# Altium PCB trussy.PcbDoc (part 2 of 3)
Units mil, origin at the board's own origin, x right, y up, seen from the top; angles counter-clockwise.
Board outline 3818.9 x 2234.25 mil, 6 copper layers (Top Layer, GND_TOP, Internal Signal 1, VCC, Internal Signal 2, Bottom Layer), stack 62.65 mil thick; 152 components, 165 nets, 758 pads, 452 vias.
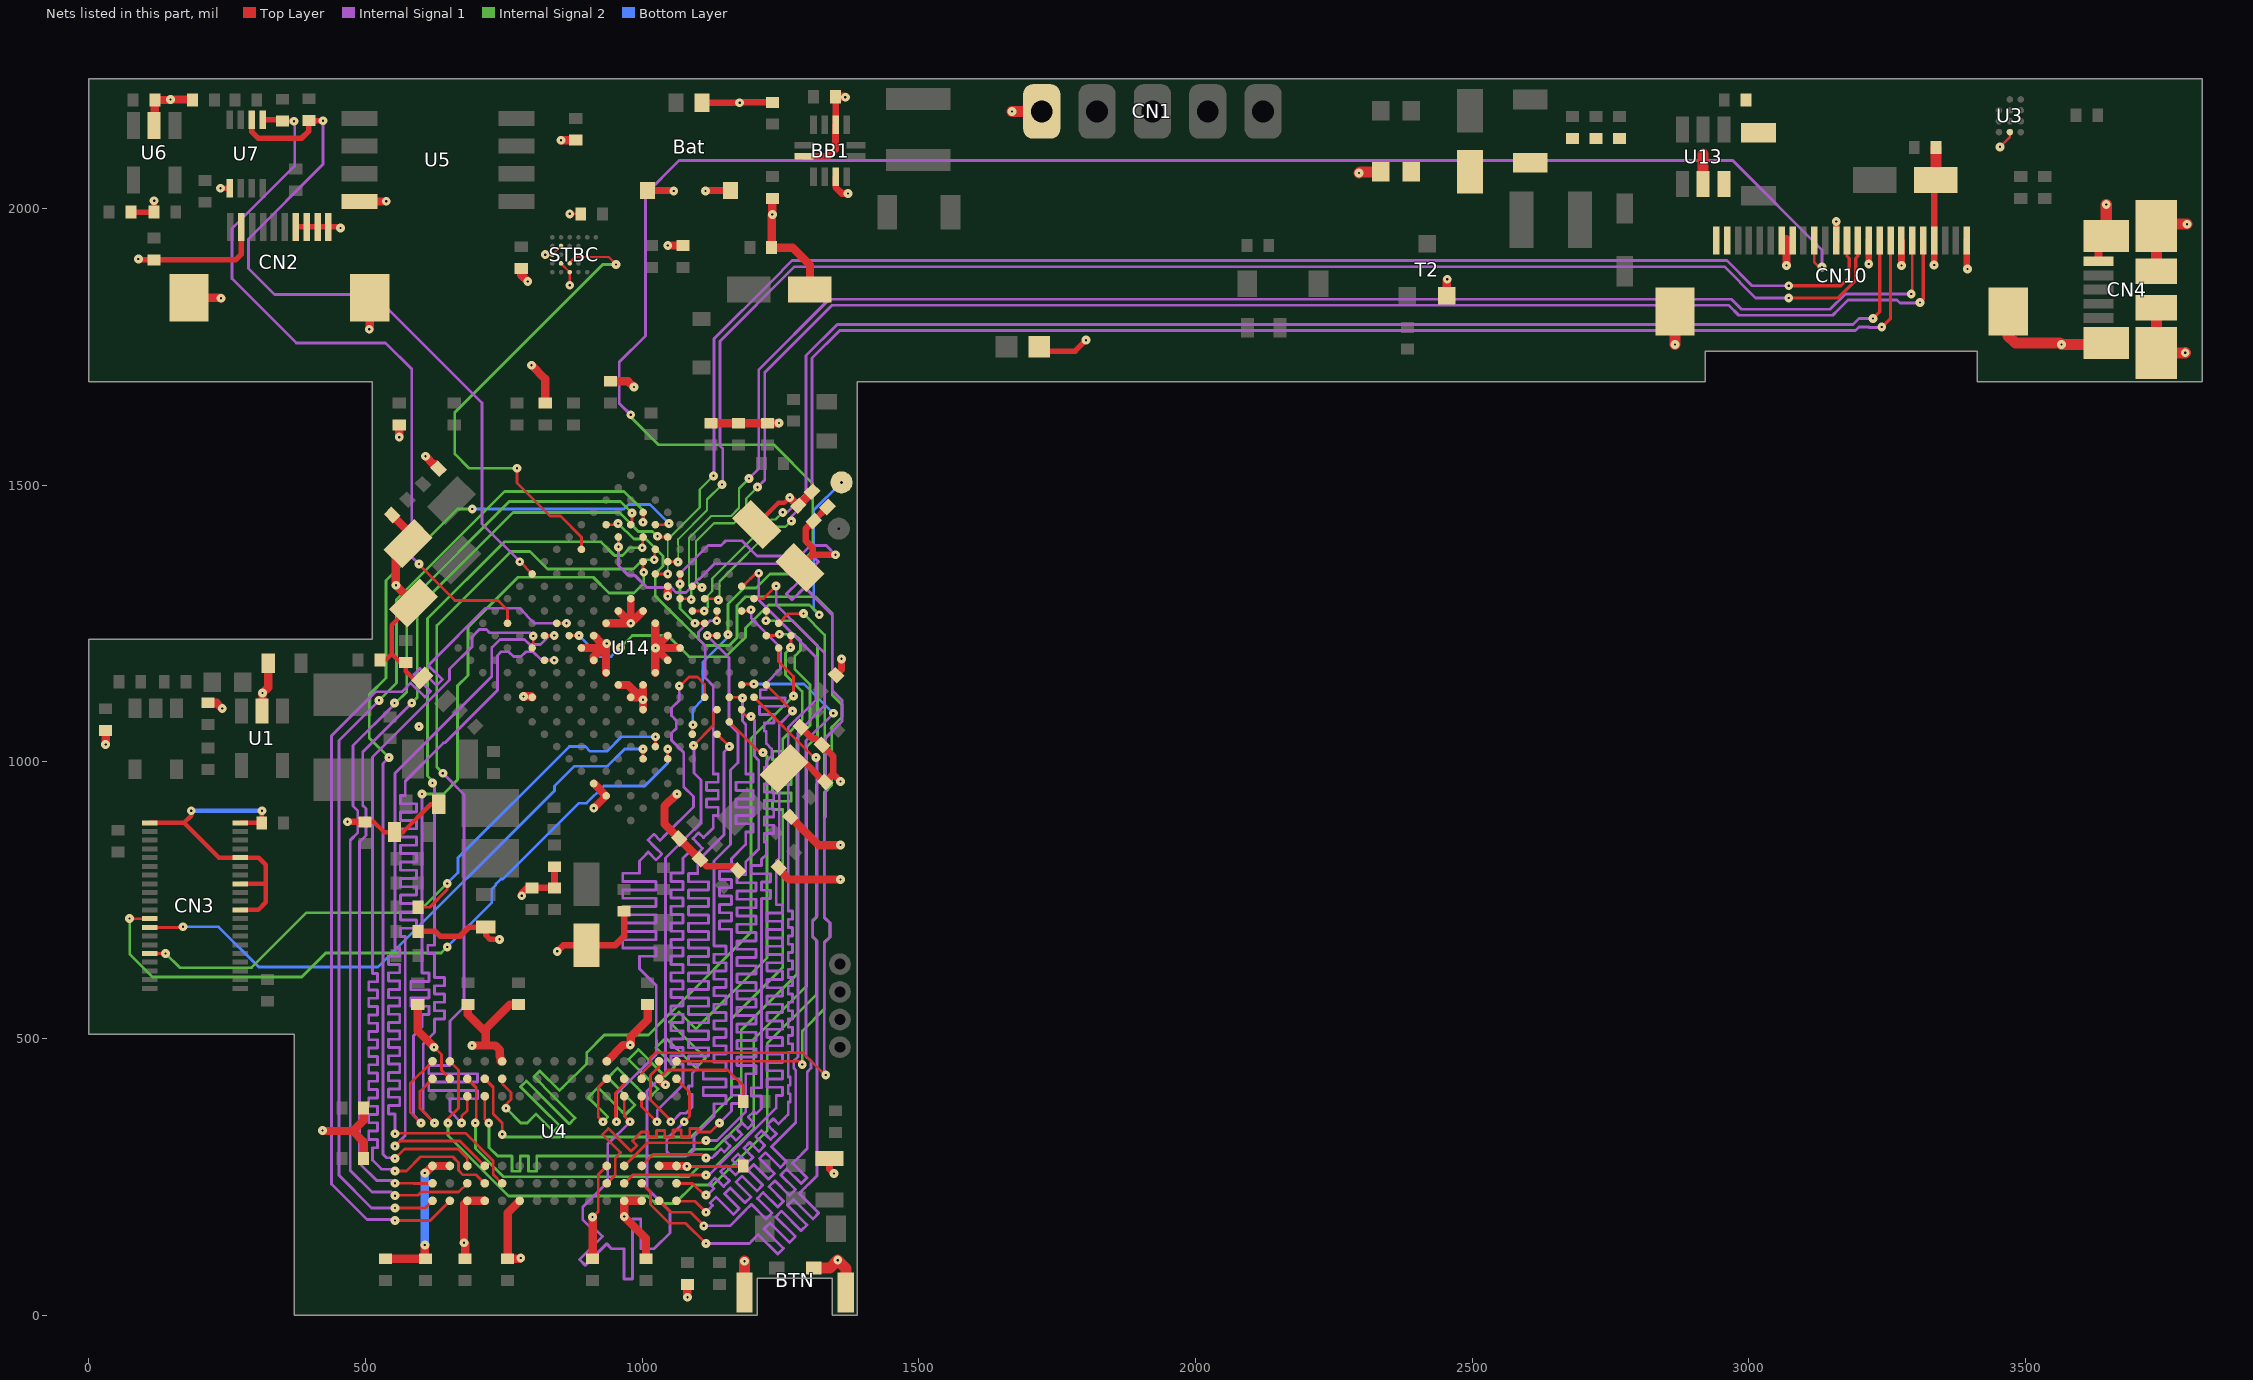
[diagram p6: the nets of this part, all layers, seen from the top]

## Via types
v1: diameter 16, hole 4, Top Layer to Bottom Layer, 452 vias

## Nets (pads, with @x,y where several pads share a name; then routed paths per layer and width w, separated by ;. In a path a pad name is that pad's centre, name@x,y a point inside that pad or via, vN(x,y) a via of type N, cw(c..) or ccw(c..) an arc to the next point about the centre after c; other vN are vias at no path point) (continued)
BATMS_EN: STBC.C2 U14.B10 | length 900.7
  Top Layer w4: STBC.C2@869.09,1900.59 869.09,1902.15 878.94,1911.99 939.39,1911.99 v1(952.76,1898.62)
  Top Layer w5: v1(773.62,1530.51) 773.62,1504.05 833.75,1443.92 852.12,1443.92 890.25,1405.8 U14.B10@890.25,1383.88
  Internal Signal 2 w5: v1(773.62,1530.51) 687.01,1530.51 661.42,1556.1 661.42,1568.82 661.34,1568.9 661.34,1631.26 928.7,1898.62 v1(952.76,1898.62)
BLGND: C55.2 C56.2 C61.2 C63.1 C64.1 C79.2 L2.2 R58.1 U13.2 | length 55
  Top Layer w12: C64.1@2765.75,2126.6 C64.1@2766.36,2125.98
  Top Layer w20: U13.2@2917.32,2044.29 2917.32,2098.43
BOOT0: TP8.1 U14.E6 | length 827.2
  Top Layer w5: U14.E6@867.97,1227.98 877.72,1227.98 v1(885.72,1227.98)
  Internal Signal 2 w5: v1(960.68,1206.75) 982.27,1228.35 1046.26,1228.35 1084.65,1189.96 1151.57,1189.96 1171.57,1209.95 1171.57,1210.22 1180.65,1219.3 1180.91,1219.3 1186.54,1224.93 1186.54,1241.66 1228.1,1283.22 1302.54,1283.22 v1(1319.95,1265.81)
  Bottom Layer w5: v1(885.72,1227.98) 923.74,1189.96 943.89,1189.96 v1(960.68,1206.75) ; v1(1319.95,1265.81) 1310.04,1275.72 1310.04,1454.72 TP8.1@1358.27,1502.95 ; TP8.1@1360.24,1504.92 TP8.1@1358.27,1502.95 ; TP8.1@1366.14,1502.95 TP8.1@1358.27,1502.95
CAM_PWDN: CN3.17 U14.P5 | length 1307.9
  Top Layer w5: v1@73.86,716.54 CN3.17@110.04,716.54 ; U14.P5@1046.14,1005.27 1046.14,1015.01 v1(1046.14,1023.01)
  Internal Signal 2 w5: v1(73.82,716.57) 73.82,652.56 115.16,611.22 384.84,611.22 428.15,654.53 636.81,654.53 v1(647.64,665.35)
  Bottom Layer w5: v1(647.64,665.35) 728.35,746.06 728.35,770.11 735.52,777.28 735.52,779.1 744.6,788.18 748.54,788.18 885.59,925.23 899.64,925.23 930.75,956.34 1004.57,956.34 1046.14,997.92 v1(1046.14,1023.01)
CAM_RST: CN3.9 R7.1 U14.N5 | length 1215.1
  Top Layer w5: CN3.9@110.04,653.54 v1@138.75,653.54 ; R7.1@594.8,737.2 616.14,737.2 647.64,768.7 v1(647.64,779.92) ; U14.N5@1023.87,1027.54 1023.87,1037.28 v1(1023.87,1045.28)
  Internal Signal 2 w5: v1(138.79,653.58) 164.41,627.95 294.29,627.95 393.7,727.36 595.08,727.36 v1(647.64,779.92)
  Bottom Layer w5: v1(647.64,779.92) 667.32,799.61 667.32,826.54 868.35,1027.56 881.59,1027.56 894.43,1027.55 897.37,1027.56 905.98,1018.95 936.27,1018.95 962.61,1045.28 v1(1023.87,1045.28)
D0: U4.R8 U14.L12 | length 1725.2
  Top Layer w5: U4.R8@1062.01,427.17 1085.63,403.54 1085.63,359.04 v1(1076,349.41) ; v1(1117.48,1227.98) 1125.48,1227.98 U14.L12@1135.23,1227.98
  Internal Signal 1 w5: v1(1076,349.41) 1044.5,317.91 1044.29,317.91 1044.29,296.26 1051.18,289.37 1084.65,289.37 1093.5,298.23 1093.5,323.1 1129.92,359.52 1129.92,367.02 1129.92,382.02 1151.42,382.02 1151.42,397.02 1129.92,397.02 1110.39,397.02 1110.39,412.02 1129.92,412.02 1151.42,412.02 1151.42,427.02 1129.92,427.02 1110.39,427.02 1110.39,442.02 1129.92,442.02 1151.42,442.02 1151.42,457.02 1129.92,457.02 1129.92,472.02 1151.42,472.02 1151.42,487.02 1129.92,487.02 1129.92,502.02 1151.42,502.02 1151.42,517.02 1129.92,517.02 1129.92,532.02 1151.42,532.02 1151.42,547.02 1129.92,547.02 1129.92,562.02 1151.42,562.02 1151.42,577.02 1129.92,577.02 1129.92,592.02 1151.42,592.02 1151.42,607.02 1129.92,607.02 1129.92,622.02 1151.42,622.02 1151.42,637.02 1129.92,637.02 1129.92,652.02 1151.42,652.02 1151.42,667.02 1129.92,667.02 1129.92,682.02 1129.92,688.98 1129.92,820.87 1159.45,850.39 1159.45,984.87 1173,998.43 1173,1052.41 1156.99,1068.41 1156.99,1188.47 v1(1117.48,1227.98)
D1: U4.N7 U14.K13 | length 1724.6
  Top Layer w5: U4.N7@999.02,395.67 999.02,377.44 v1(1027.04,349.41) ; v1(1134.84,1254.92) 1135.23,1255.31 U14.K13@1135.23,1272.52
  Internal Signal 1 w5: v1(1027.04,349.41) 1027.04,369.56 1073.82,416.34 1073.82,423.84 1073.82,438.84 1073.82,453.84 1052.32,453.84 1052.32,468.84 1073.82,468.84 1073.82,483.84 1052.32,483.84 1052.32,498.84 1073.82,498.84 1073.82,513.84 1052.32,513.84 1052.32,528.84 1073.82,528.84 1073.82,543.84 1052.32,543.84 1052.32,558.84 1073.82,558.84 1073.82,573.84 1052.32,573.84 1052.32,588.84 1073.82,588.84 1073.82,603.84 1052.32,603.84 1052.32,618.84 1073.82,618.84 1073.82,633.84 1052.32,633.84 1052.32,648.84 1073.82,648.84 1073.82,663.84 1052.32,663.84 1052.32,678.84 1073.82,678.84 1073.82,693.84 1052.32,693.84 1052.32,708.84 1073.82,708.84 1073.82,723.84 1052.32,723.84 1052.32,738.84 1073.82,738.84 1073.82,753.84 1052.32,753.84 1052.32,768.84 1073.82,768.84 1073.82,783.84 1052.32,783.84 1052.32,798.84 1073.82,798.84 1073.82,813.84 1073.82,825.79 1079.12,831.09 1089.73,841.7 1098.41,833.02 1109.01,843.63 1100.34,852.3 1091.49,861.15 1102.09,871.76 1110.94,862.91 1121.55,873.52 1128.46,880.43 1128.46,887.93 1128.46,902.93 1137.64,902.93 1137.64,917.93 1128.46,917.93 1116.19,917.93 1116.19,932.93 1128.46,932.93 1137.64,932.93 1137.64,947.93 1128.46,947.93 1116.19,947.93 1116.19,962.93 1128.46,962.93 1137.64,962.93 1137.64,977.93 1128.46,977.93 1128.46,986.22 1128.46,1136.78 1114.17,1151.07 1114.17,1209.37 1101.98,1221.56 1101.98,1234.4 1122.51,1254.92 v1(1134.84,1254.92)
D2: U4.R9 U14.B12 | length 1736.5
  Top Layer w5: U14.B12@934.79,1428.42 954.23,1428.42 v1(956.61,1430.8) ; U4.R9@1062.01,458.66 1283.46,458.66 v1(1289.37,452.76)
  Internal Signal 2 w5: v1(956.61,1430.8) 985.04,1402.38 1006.47,1402.38 1008.26,1400.59 1008.86,1400.59 1037.4,1372.05 1037.4,1353.61 1023.62,1339.83 1023.62,1299.92 1113.44,1210.1 1157.3,1210.1 1171.26,1224.06 1171.26,1282.48 1187.01,1298.23 1312.99,1298.23 1343.5,1267.72 1343.5,1120.57 1360.97,1103.1 1360.97,1081.18 1342.77,1062.97 1342.77,957.93 1328.99,944.15 1328.99,718.89 1339.42,708.46 1339.42,683.54 1328.99,673.11 1328.99,553.4 1289.37,513.78 v1(1289.37,452.76)
D3: U4.N8 U14.C12 | length 1929
  Top Layer w5: v1(957.06,1388.4) 957.06,1396.4 U14.C12@957.06,1406.15 ; U4.N8@999.02,427.17 999.02,436.92 1014.39,452.29 1014.39,464.28 1024.14,474.04 1290.73,474.04 1330.69,434.08 v1(1331.76,434.08)
  Internal Signal 1 w5: v1(957.06,1388.4) 957.06,1354.95 974.92,1337.09 985.75,1337.09 986.74,1336.1 987.45,1336.1 1008.73,1314.82 1052.56,1314.82 1061.29,1306.09 1079,1306.09 1092.82,1319.92 1092.82,1321.45 1101.9,1330.52 1103.43,1330.52 1130.19,1357.28 1251.37,1357.89 1261.97,1347.28 ; 1260.04,1345.34 1270.64,1334.74 1272.58,1336.67 1307.93,1372.03 1318.54,1361.42 1283.19,1326.07 1260.39,1303.27 1271,1292.66 1293.79,1315.46 1300.2,1309.06 1343.5,1265.75 1343.5,1128.94 1361.22,1111.22 1361.22,1072.83 1331.76,1043.37 1331.76,900.92 1328.99,898.15 1328.99,718.89 1339.42,708.46 1339.42,683.54 1328.99,673.11 1328.99,436.85 v1(1331.76,434.08)
D4: U4.P9 U14.R8 | length 1732.4
  Top Layer w5: U4.P9@1030.51,458.66 1030.51,448.91 1015.14,433.53 1015.14,388.69 1051.52,352.31 v1(1051.52,349.41) ; U14.R8@1135.23,1049.81 v1(1157.5,1027.54)
  Internal Signal 1 w5: v1(1051.52,349.41) 1054.08,349.41 1069.58,364.91 1079.48,364.91 1090.3,375.74 1090.3,380.91 1090.3,384.26 1090.3,399.26 1083.6,399.26 1083.6,414.26 1090.3,414.26 1090.3,429.26 1090.3,436.76 1100.39,446.85 1100.39,453.37 1083.82,453.37 1083.82,468.37 1100.39,468.37 1119.92,468.37 1119.92,483.37 1100.39,483.37 1083.82,483.37 1083.82,498.37 1100.39,498.37 1119.92,498.37 1119.92,513.37 1100.39,513.37 1083.82,513.37 1083.82,528.37 1100.39,528.37 1119.92,528.37 1119.92,543.37 1100.39,543.37 1083.82,543.37 1083.82,558.37 1100.39,558.37 1119.92,558.37 1119.92,573.37 1100.39,573.37 1083.82,573.37 1083.82,588.37 1100.39,588.37 1119.92,588.37 1119.92,603.37 1100.39,603.37 1083.82,603.37 1083.82,618.37 1100.39,618.37 1119.92,618.37 1119.92,633.37 1100.39,633.37 1083.82,633.37 1083.82,648.37 1100.39,648.37 1119.92,648.37 1119.92,663.37 1100.39,663.37 1083.82,663.37 1083.82,678.37 1100.39,678.37 1119.92,678.37 1119.92,693.37 1100.39,693.37 1083.82,693.37 1083.82,708.37 1100.39,708.37 1119.92,708.37 1119.92,723.37 1100.39,723.37 1083.82,723.37 1083.82,738.37 1100.39,738.37 1119.92,738.37 1119.92,753.37 1100.39,753.37 1083.82,753.37 1083.82,768.37 1100.39,768.37 1119.92,768.37 1119.92,783.37 1100.39,783.37 1083.82,783.37 1083.82,798.37 1100.39,798.37 1100.39,813.37 1100.39,820.87 1147.64,868.11 1147.64,1017.68 v1(1157.5,1027.54)
D5: U4.M8 U14.N9 | length 1737.6
  Top Layer w5: v1(953.61,349.41) 951.77,351.25 951.77,401.66 967.52,417.41 U4.M8@967.52,427.17 ; v1(1066.98,1136.87) 1068.31,1136.87 1084.73,1153.28 1099.67,1153.28 1112.96,1140 U14.N9@1112.96,1116.62
  Internal Signal 1 w5: v1(953.61,349.41) 953.61,399.48 1025.39,471.26 1025.39,483.91 1025.83,484.35 1025.83,497.19 1025.39,497.63 1025.39,595.67 995.08,625.98 995.08,633.48 995.08,648.48 1025.08,648.48 1025.08,663.48 995.08,663.48 965.08,663.48 965.08,678.48 995.08,678.48 1025.08,678.48 1025.08,693.48 995.08,693.48 965.08,693.48 965.08,708.48 995.08,708.48 1025.08,708.48 1025.08,723.48 995.08,723.48 965.08,723.48 965.08,738.48 995.08,738.48 1025.08,738.48 1025.08,753.48 995.08,753.48 965.08,753.48 965.08,768.48 995.08,768.48 1025.08,768.48 1025.08,783.48 995.08,783.48 965.08,783.48 965.08,798.48 995.08,798.48 995.08,813.48 995.08,820.87 1000.38,826.17 1010.99,836.78 1024.91,822.85 1035.52,833.46 1021.6,847.38 1010.43,858.55 1021.04,869.16 1032.2,857.99 1042.32,868.11 1092.52,918.31 1092.52,936.97 1075.19,954.31 1075.19,1016.59 1052.92,1038.86 1052.92,1051.7 1061.64,1060.43 1061.64,1074.68 1052.92,1083.41 1052.92,1096.95 1066.98,1111.01 v1(1066.98,1136.87)
D6: U4.M7 U14.P9 | length 1815.3
  Top Layer w5: U4.M7@967.52,395.67 967.52,359.98 v1(978.09,349.41) ; v1(1092.57,1029.58) 1128.46,1065.46 1128.46,1087.58 U14.P9@1135.23,1094.35
  Internal Signal 1 w5: v1(978.09,349.41) 937.74,309.07 937.74,240.89 892.72,195.87 892.72,172.24 909.45,155.51 914.75,150.21 917.57,153.03 928.18,142.42 925.36,139.6 886.54,100.78 897.14,90.17 935.97,129 944.88,120.08 952.38,120.08 967.38,120.08 967.38,65.18 982.38,65.18 982.38,120.08 982.38,173.61 997.38,173.61 997.38,120.08 1012.38,120.08 1020.67,120.08 1021.65,120.08 1050.2,148.62 1050.2,187.99 1008.86,229.33 1008.86,404.76 1035.95,431.86 1036.19,431.86 1042.32,437.99 1042.32,826.13 1106.19,889.99 1106.19,967.15 1093.5,979.83 1093.5,1028.65 v1(1092.57,1029.58)
D7: U4.L8 U14.R9 | length 1636.3
  Top Layer w5: v1(929.13,349.41) 920.65,357.89 920.65,411.79 U4.L8@936.02,427.17 ; U14.R9@1157.5,1072.08 1212.85,1016.73 v1(1218.5,1016.73)
  Internal Signal 2 w5: v1(929.13,349.41) 937.97,358.25 902.62,393.6 920.3,411.28 955.65,375.93 969.36,362.22 987.04,379.89 973.33,393.6 937.97,428.96 955.65,446.64 991.01,411.28 1011.17,391.12 1028.85,408.8 1008.68,428.96 975.35,462.29 993.03,479.97 1026.36,446.64 1041.19,431.81 1058.86,449.49 1044.04,464.31 1024.92,483.43 1042.6,501.11 1061.72,481.99 1097.07,446.64 1114.75,464.31 1079.39,499.67 1049.06,530 1066.74,547.68 1097.07,517.35 1107.28,527.56 1225.39,645.67 1225.39,1009.84 v1(1218.5,1016.73)
D8: U4.L2 U14.P10 | length 1733.5
  Top Layer w5: U4.L2@936.02,238.19 951.4,253.56 951.4,284.07 961.15,293.83 928.25,326.73 938.86,337.34 971.76,304.44 979.95,296.25 990.55,306.86 982.37,315.04 992.97,325.65 998.28,330.95 1010.78,330.95 1010.78,321.52 1025.78,321.52 1025.78,330.95 1025.78,333.91 1040.78,333.91 1040.78,330.95 1040.78,321.52 1055.78,321.52 1055.78,330.95 1055.78,334.51 1070.78,334.51 1070.78,330.95 1070.78,321.52 1085.78,321.52 1085.78,330.95 1085.78,337.39 1100.78,337.39 1100.78,330.95 1115.78,330.95 1123.28,330.95 v1(1139.76,347.44) ; U14.P10@1157.5,1116.62 1179.64,1116.62 v1(1181.1,1115.16)
  Internal Signal 1 w5: v1@1139.76,342.15 v1(1139.76,347.44) 1161.42,369.09 1161.42,382.3 1177.01,382.3 1177.01,397.3 1161.42,397.3 1161.42,412.3 1177.01,412.3 1177.01,427.3 1161.42,427.3 1161.42,442.3 1161.42,457.3 1161.42,472.3 1161.42,487.3 1161.42,502.3 1161.42,517.3 1161.42,532.3 1161.42,547.3 1161.42,562.3 1161.42,577.3 1161.42,592.3 1161.42,607.3 1161.42,622.3 1161.42,637.3 1161.42,652.3 1161.42,667.3 1161.42,682.3 1161.42,697.3 1139.92,697.3 1139.92,712.3 1161.42,712.3 1161.42,727.3 1139.92,727.3 1139.92,742.3 1161.42,742.3 1161.42,757.3 1139.92,757.3 1139.92,772.3 1161.42,772.3 1161.42,787.3 1139.92,787.3 1139.92,802.3 1161.42,802.3 1161.42,817.3 1161.42,824.8 1187.01,850.39 1187.01,857.89 1187.01,872.89 1200.63,872.89 1200.63,887.89 1187.01,887.89 1169.45,887.89 1169.45,902.89 1187.01,902.89 1200.63,902.89 1200.63,917.89 1187.01,917.89 1169.45,917.89 1169.45,932.89 1187.01,932.89 1200.63,932.89 1200.63,947.89 1187.01,947.89 1169.45,947.89 1169.45,962.89 1187.01,962.89 1200.63,962.89 1200.63,977.89 1187.01,977.89 1187.01,983.27 1187.01,1067.91 1181.1,1073.82 v1(1181.1,1115.16)
D9: U4.M3 U14.R10 | length 1834.6
  Top Layer w5: U4.M3@967.52,269.68 1009.35,311.52 v1@1115.16,311.52 ; U14.R10@1179.77,1094.35 1179.77,1090.9 1188.92,1081.75 v1(1196.91,1081.75)
  Internal Signal 1 w5: v1@1115.16,311.52 v1@1117.13,313.49 ; v1(1115.16,315.45) 1135.02,315.45 1187.01,367.44 1187.01,435.04 1187.01,436.4 1205.55,436.4 1205.55,451.4 1187.01,451.4 1171.42,451.4 1171.42,466.4 1187.01,466.4 1205.55,466.4 1205.55,481.4 1187.01,481.4 1171.42,481.4 1171.42,496.4 1187.01,496.4 1205.55,496.4 1205.55,511.4 1187.01,511.4 1171.42,511.4 1171.42,526.4 1187.01,526.4 1205.55,526.4 1205.55,541.4 1187.01,541.4 1171.42,541.4 1171.42,556.4 1187.01,556.4 1205.55,556.4 1205.55,571.4 1187.01,571.4 1171.42,571.4 1171.42,586.4 1187.01,586.4 1205.55,586.4 1205.55,601.4 1187.01,601.4 1171.42,601.4 1171.42,616.4 1187.01,616.4 1205.55,616.4 1205.55,631.4 1187.01,631.4 1171.42,631.4 1171.42,646.4 1187.01,646.4 1205.55,646.4 1205.55,661.4 1187.01,661.4 1171.42,661.4 1171.42,676.4 1187.01,676.4 1205.55,676.4 1205.55,691.4 1187.01,691.4 1171.42,691.4 1171.42,706.4 1187.01,706.4 1205.55,706.4 1205.55,721.4 1187.01,721.4 1171.42,721.4 1171.42,736.4 1187.01,736.4 1205.55,736.4 1205.55,751.4 1187.01,751.4 1171.42,751.4 1171.42,766.4 1187.01,766.4 1205.55,766.4 1205.55,781.4 1187.01,781.4 1171.42,781.4 1171.42,796.4 1187.01,796.4 1187.01,811.4 1187.01,818.9 1210.63,842.52 1210.63,1002.69 1203,1010.31 1203,1075.65 v1(1196.91,1081.75)
D10: U4.M2 U14.R12 | length 1770.4
  Top Layer w5: U4.M2@967.52,238.19 982.89,253.56 1068.38,253.56 1068.46,253.48 1114.88,253.48 v1(1115.16,253.2) ; U14.R12@1224.31,1138.89 v1(1271.65,1091.55)
  Internal Signal 1 w5: v1@1118.11,250.25 1242.13,374.26 1242.13,381.76 1242.13,396.76 1253.78,396.76 1253.78,411.76 1242.13,411.76 1225.55,411.76 1225.55,426.76 1242.13,426.76 1253.78,426.76 1253.78,441.76 1242.13,441.76 1225.55,441.76 1225.55,456.76 1242.13,456.76 1253.78,456.76 1253.78,471.76 1242.13,471.76 1225.55,471.76 1225.55,486.76 1242.13,486.76 1253.78,486.76 1253.78,501.76 1242.13,501.76 1225.55,501.76 1225.55,516.76 1242.13,516.76 1253.78,516.76 1253.78,531.76 1242.13,531.76 1225.55,531.76 1225.55,546.76 1242.13,546.76 1253.78,546.76 1253.78,561.76 1242.13,561.76 1225.55,561.76 1225.55,576.76 1242.13,576.76 1253.78,576.76 1253.78,591.76 1242.13,591.76 1225.55,591.76 1225.55,606.76 1242.13,606.76 1253.78,606.76 1253.78,621.76 1242.13,621.76 1225.55,621.76 1225.55,636.76 1242.13,636.76 1253.78,636.76 1253.78,651.76 1242.13,651.76 1225.55,651.76 1225.55,666.76 1242.13,666.76 1253.78,666.76 1253.78,681.76 1242.13,681.76 1225.55,681.76 1225.55,696.76 1242.13,696.76 1253.78,696.76 1253.78,711.76 1242.13,711.76 1225.55,711.76 1225.55,726.76 1242.13,726.76 1253.78,726.76 1253.78,741.76 1242.13,741.76 1242.13,753.94 1242.13,820.5 1247.87,826.25 1247.87,1067.77 v1(1271.65,1091.55)
D11: U4.P1 U14.P11 | length 1644.8
  Top Layer w5: U4.P1@1030.51,206.69 1051.18,186.02 1086.98,186.02 1111.27,161.73 v1(1111.27,161.43) ; U14.P11@1179.77,1138.89 1181.62,1140.75 v1(1201.77,1140.75)
  Internal Signal 1 w5: v1(1111.27,161.43) 1158.47,161.43 1182.58,185.53 1186.86,189.81 1197.47,200.42 1223.86,174.02 1234.47,184.63 1208.07,211.03 1218.68,221.63 1245.07,195.24 1255.68,205.84 1229.29,232.24 1239.89,242.84 1266.29,216.45 1276.89,227.06 1250.5,253.45 1261.11,264.06 1287.5,237.66 1298.11,248.27 1271.71,274.66 1282.32,285.27 1292.93,295.88 1298.23,301.18 1298.23,439.69 1304.87,446.34 1304.87,459.18 1296.26,467.79 1296.26,1038.39 v1(1345.47,1087.6)
  Bottom Layer w5: v1(1201.77,1140.75) 1292.32,1140.75 v1(1345.47,1087.6)
D12: U4.N2 U14.R11 | length 1745.8
  Top Layer w5: U4.N2@999.02,238.19 1015.14,222.07 1015.14,200.32 1049.44,166.02 1078.81,166.02 v1(1115.16,129.67) ; U14.R11@1202.04,1116.62 1310.79,1007.87 v1(1313.98,1007.87)
  Internal Signal 1 w5: v1(1115.16,129.67) 1193.65,129.67 1198.95,134.98 1209.56,145.58 1244.92,110.23 1255.52,120.84 1220.17,156.19 1230.77,166.8 1266.13,131.44 1276.74,142.05 1241.38,177.4 1251.99,188.01 1287.34,152.66 1297.95,163.26 1262.59,198.62 1273.2,209.22 1308.56,173.87 1319.16,184.48 1283.81,219.83 1294.41,230.44 1303.64,239.67 1315.94,251.97 1315.94,676.01 1308.42,683.54 1308.42,713.93 1315.94,721.46 1315.94,1006.89 1314.96,1007.87 v1(1313.98,1007.87)
D13: U4.R1 U14.L15 | length 1765.4
  Top Layer w5: U4.R1@1062.01,206.69 1062.01,205.8 1095.38,205.8 v1(1115.16,186.02) ; U14.L15@1202.04,1294.79 1219,1294.79 v1(1242.13,1317.91)
  Internal Signal 1 w5: v1(1115.16,186.02) 1122.05,192.91 1127.35,198.22 1122.75,202.82 1133.35,213.43 1137.96,208.82 1164.84,181.94 1175.45,192.54 1148.56,219.43 1159.17,230.04 1186.06,203.15 1196.66,213.76 1169.78,240.64 1180.38,251.25 1207.27,224.36 1217.88,234.97 1190.99,261.86 1201.6,272.46 1228.48,245.58 1239.09,256.18 1212.2,283.07 1222.81,293.68 1249.7,266.79 1260.3,277.4 1233.42,304.28 1244.02,314.89 1246.06,316.93 1277.72,348.58 1277.72,442.49 1273.87,446.34 1273.87,459.18 1281.5,466.8 1281.5,1053.15 1329.72,1101.38 1329.72,1196.85 1242.13,1284.45 v1(1242.13,1317.91)
D14: U4.N3 U14.L14 | length 1749.6
  Top Layer w5: U4.N3@999.02,269.68 1019.69,290.35 1109.13,290.35 v1(1115.16,284.33) ; U14.L14@1179.77,1272.52 1194.76,1272.52 v1(1196.91,1274.67)
  Internal Signal 1 w5: v1(1115.16,284.33) 1126.39,284.33 1126.74,284.68 1132.04,289.98 1142.65,300.59 1148.48,294.76 1159.09,305.36 1153.26,311.19 1149.08,315.37 1159.68,325.98 1163.86,321.8 1169.69,315.97 1180.3,326.58 1174.47,332.41 1170.29,336.59 1180.9,347.19 1185.08,343.01 1190.91,337.18 1201.51,347.79 1195.68,353.62 1191.5,357.8 1202.11,368.41 1206.29,364.23 1215.55,373.49 1215.55,380.99 1215.55,395.99 1197.01,395.99 1197.01,410.99 1215.55,410.99 1215.55,423.23 1215.55,730.32 1215.55,737.82 1215.55,752.82 1232.13,752.82 1232.13,767.82 1215.55,767.82 1215.55,782.82 1232.13,782.82 1232.13,797.82 1215.55,797.82 1197.01,797.82 1197.01,812.82 1215.55,812.82 1215.55,823.82 1224.41,832.68 1224.41,840.18 1224.41,855.18 1220.63,855.18 1220.63,870.18 1224.41,870.18 1237.88,870.18 1237.88,885.18 1224.41,885.18 1220.63,885.18 1220.63,900.18 1224.41,900.18 1237.88,900.18 1237.88,915.18 1224.41,915.18 1220.63,915.18 1220.63,930.18 1224.41,930.18 1237.88,930.18 1237.88,945.18 1224.41,945.18 1220.63,945.18 1220.63,960.18 1224.41,960.18 1237.88,960.18 1237.88,975.18 1224.41,975.18 1220.63,975.18 1220.63,990.18 1224.41,990.18 1224.41,1000.72 1234,1010.31 1234,1023.15 1224.41,1032.75 1224.41,1040.25 1224.41,1055.25 1220.63,1055.25 1220.63,1070.25 1224.41,1070.25 1238.19,1070.25 1238.19,1085.25 1224.41,1085.25 1212.01,1085.25 1212.01,1100.25 1224.41,1100.25 1258.58,1100.25 1258.58,1115.25 1224.41,1115.25 1213.17,1115.25 1213.17,1130.25 1224.41,1130.25 1224.41,1138.89 1224.41,1142.72 1250,1168.31 1250,1206.47 1196.91,1259.56 v1(1196.91,1274.67)
D15: U4.R2 U14.K15 | length 1769.2
  Top Layer w5: U4.R2@1062.01,238.19 1091.17,238.19 v1@1115.16,214.2 ; v1@1115.03,216.29 v1@1115.16,216.17 ; U14.K15@1179.77,1317.06 1181.25,1317.06 1186.02,1321.84 1186.8,1321.84 1195.88,1330.92 ; v1(1210.69,1340.62) 1205.58,1340.62 1196.66,1331.69 ; 1195.88,1330.92 1195.88,1331.69 1196.66,1331.69 ; 1195.88,1330.92 1196.66,1331.69
  Internal Signal 1 w5: v1@1115.16,214.2 1124.38,223.43 1129.69,228.73 1121.15,237.27 1131.75,247.88 1140.29,239.34 1147.31,232.32 1157.92,242.92 1150.9,249.94 1141.42,259.42 1152.03,270.03 1161.51,260.55 1168.53,253.53 1179.13,264.14 1172.11,271.15 1162.64,280.63 1173.24,291.24 1182.72,281.76 1189.74,274.74 1200.34,285.35 1193.33,292.37 1183.85,301.85 1194.46,312.45 1203.93,302.97 1210.95,295.96 1221.56,306.56 1214.54,313.58 1205.06,323.06 1215.67,333.67 1225.15,324.19 1232.16,317.17 1242.77,327.78 1235.75,334.79 1226.28,344.27 1236.88,354.88 1246.36,345.4 1256.97,356.01 1263.78,362.82 1263.78,370.32 1263.78,385.32 1267.72,385.32 1267.72,400.32 1263.78,400.32 1263.78,415.32 1267.72,415.32 1267.72,430.32 1263.78,430.32 1263.78,445.32 1263.78,460.32 1263.78,475.32 1271.5,475.32 1271.5,490.32 1263.78,490.32 1263.78,505.32 1271.5,505.32 1271.5,520.32 1263.78,520.32 1263.78,535.32 1271.5,535.32 1271.5,550.32 1263.78,550.32 1263.78,565.32 1271.5,565.32 1271.5,580.32 1263.78,580.32 1263.78,595.32 1271.5,595.32 1271.5,610.32 1263.78,610.32 1263.78,625.32 1271.5,625.32 1271.5,640.32 1263.78,640.32 1263.78,655.32 1271.5,655.32 1271.5,670.32 1263.78,670.32 1263.78,685.32 1271.5,685.32 1271.5,700.32 1263.78,700.32 1263.78,715.32 1271.5,715.32 1271.5,730.32 1263.78,730.32 1263.78,745.32 1263.78,752.95 1263.78,1061.76 1313.98,1111.96 1313.98,1188.9 1210.69,1292.19 v1(1210.69,1340.62)